# Altium PCB PCB1.PcbDoc (part 1 of 2)
Units mil, origin at the board's own origin, x right, y up, seen from the top; angles counter-clockwise.
Board outline 3939 x 2371 mil, 2 copper layers (Top Layer, Bottom Layer); 133 components, 78 nets, 464 pads, 62 vias.
Unrouted connection lines stored in the file: 3.
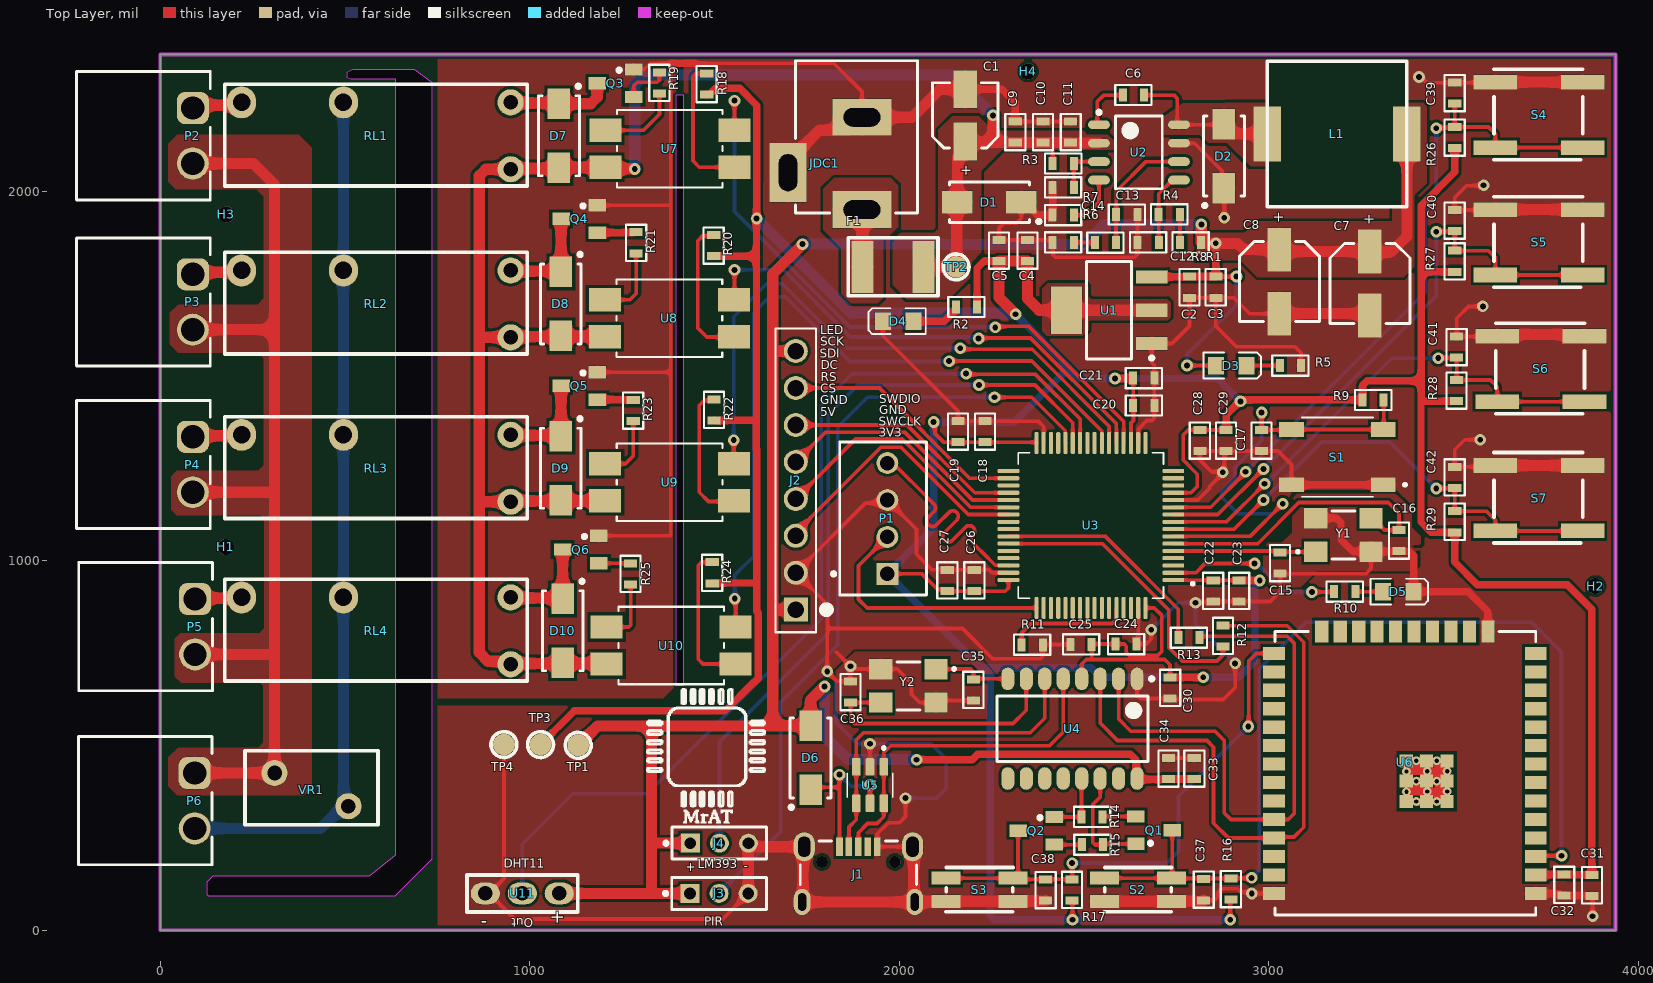
[diagram p0: Top Layer view]
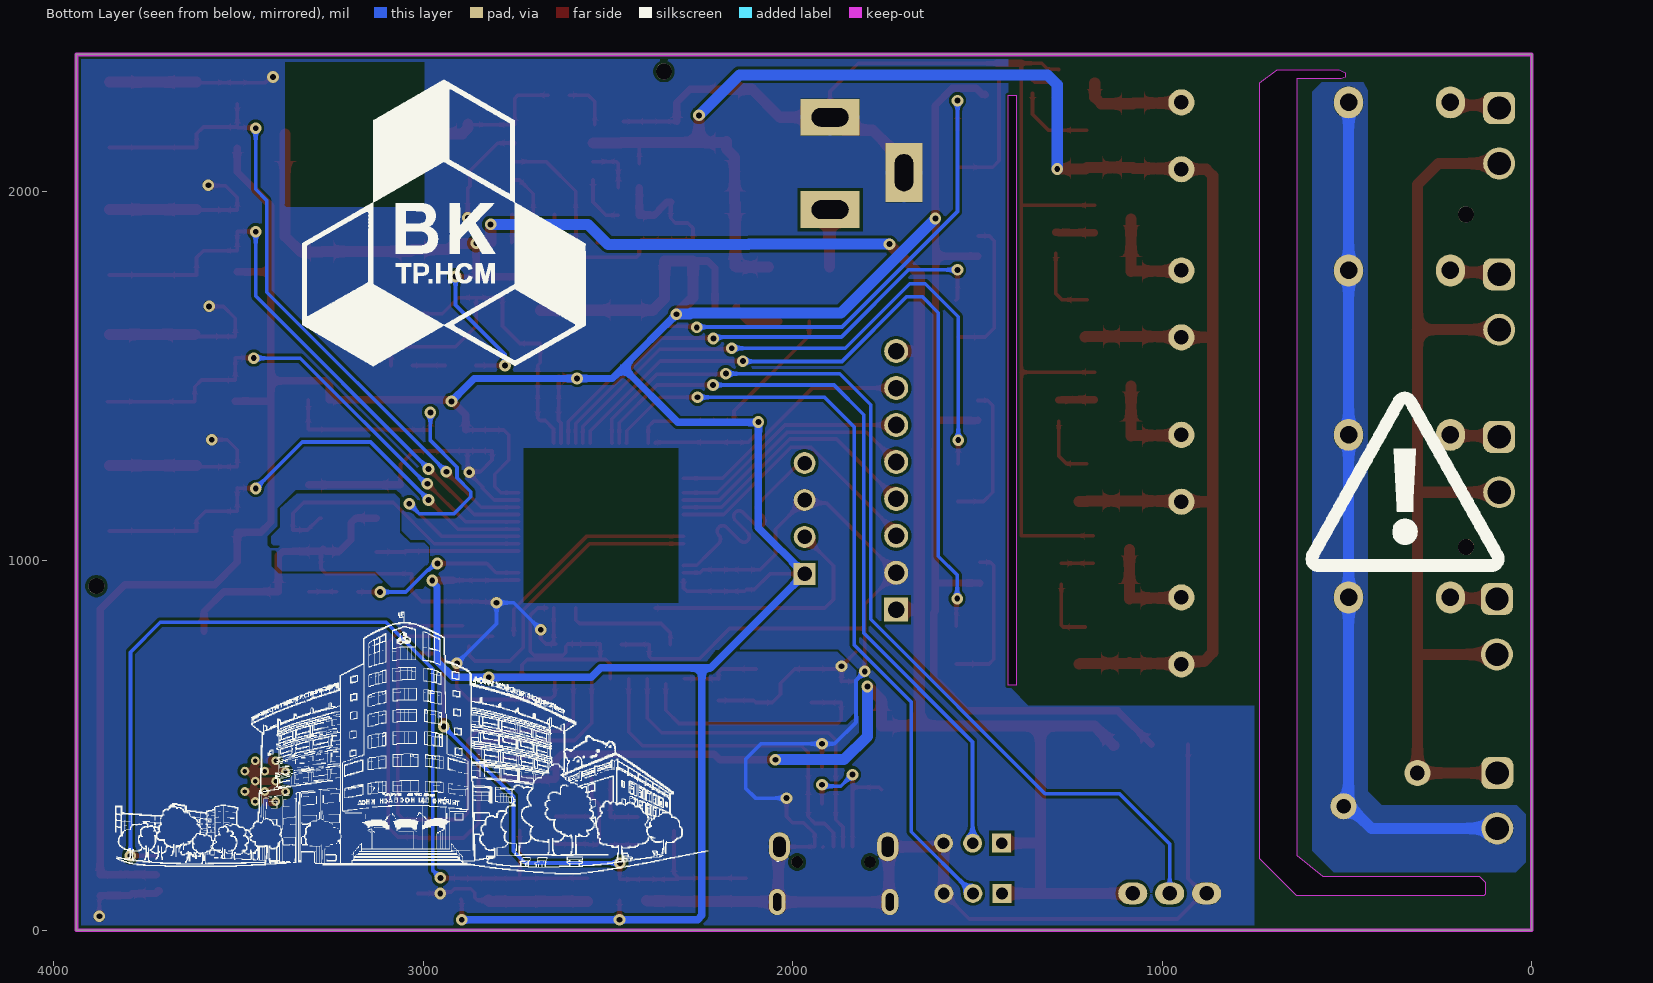
[diagram p1: Bottom Layer view, seen from below]

## Layer stack, top to bottom
Top Solder: solder mask 0.4, Solder Resist, Dk 3.5
Top Layer: signal copper 1.4
Dielectric 1: dielectric 12.6, FR-4, Dk 4.8
Bottom Layer: signal copper 1.4
Bottom Solder: solder mask 0.4, Solder Resist, Dk 3.5

## Board outline
0,0 0,2371 3939,2371 3939,0
cut-out: 636,2305 636,203.03 565,147 142,147 125,130 125,98 129,94 636,94 736,194 736,2295 689,2330 521,2330 504,2322 504,2309 516,2305
cut-out: 1395.41,2125.49 1395.41,663 1417,663 1417,744.99 1417,930.99 1417,1017.99 1417,1247.99 1417,1442 1417,2090 1417,2260 1395.41,2260

## Design rules (kind name [scope] priority, off if disabled: settings)
Clearance [All] p1: gap=8 ignorepadtopadclearanceinfootprint=FALSE
PolygonConnect [InNet('GND') vs InNet('+12V')] p1: connectstyle=Direct reliefconductorwidth=10 reliefentries=4 polygonreliefangle="90 Angle" airgapwidth=10
RoutingVias [All] p1: holewidth=15.75 width=31.5 viastyle="Through Hole" minholewidth=15.75 minwidth=31.5 maxholewidth=15.75 maxwidth=31.5
SolderMaskExpansion [All] p1: expansion=4 istentingtop=FALSE
Width [All] p1: maxlimit=30 minlimit=10 preferedwidth=20
30 further rules are at their usual default settings.

## Classes and differential pairs
component class STM: C15 C16 C17 C18 C19 C20 C21 C22 C23 C24 C25 C26 C27 C28 C29 D5 P1 R9 R10 R11 S1 U3 Y1
component class Sheet1: C39 C40 C41 C42 J3 J4 R26 R27 R28 R29 S4 S5 S6 S7 U11
component class Power_Circuit: C1 C2 C3 C4 C5 C6 C7 C8 C9 C10 C11 C12 C13 C14 D1 D2 D3 D4 F1 H1 H2 H3 H4 JDC1 L1 R1 R2 R3 R4 R5 R6 R7 R8 TP1 TP2 TP3 TP4 U1 U2
component class Output: D7 D8 D9 D10 J2 P2 P3 P4 P5 P6 Q3 Q4 Q5 Q6 R18 R19 R20 R21 R22 R23 R24 R25 RL1 RL2 RL3 RL4 U7 U8 U9 U10 VR1
component class ESP: C30 C31 C32 C33 C34 C35 C36 C37 C38 D6 J1 Q1 Q2 R12 R13 R14 R15 R16 R17 S2 S3 U4 U5 U6 Y2

## Components (designator, comment, footprint, x,y, rotation, side; value= is the part's Value field where it differs from the comment)
C1 "47uF" WCAP-ASLI_D4H5.5 2179,2206 r270 top
C2 "1uF" CAP_0603 2786,1741 r90 top
C3 "100nF" CAP_0603 2857,1741 r90 top
C4 "1uF" CAP_0603 2347,1840 r270 top
C5 "100nF" CAP_0603 2270,1840 r270 top
C6 "100nF" CAP_0603 2634,2261 r0 top
C7 "47uF" WCAP-ASLI_D5H5.5 3274,1751 r90 top
C8 "47uF" WCAP-ASLI_D5H5.5 3029,1756 r90 top
C9 "10uF" CAP_0603 2314,2161 r270 top
C10 "10uF" CAP_0603 2389,2161 r270 top
C11 "10nF" CAP_0603 2464,2161 r270 top
C12 "1uF" CAP_0603 2558,1862 r180 top
C13 "47n" CAP_0603 2616,1938 r180 top
C14 "10nF" CAP_0603 2444,1936 r0 top
C15 "22pF" CAP_0603 3031.02,994 r90 top
C16 "22pF" CAP_0603 3353,1055 r90 top
C17 "100nF" CAP_0603 2981,1326 r90 top
C18 "100nF" CAP_0603 2232,1350 r270 top
C19 "100nF" CAP_0603 2159,1350 r270 top
C20 "100nF" CAP_0603 2662,1421 r180 top
C21 "100nF" CAP_0603 2662,1495 r180 top
C22 "100nF" CAP_0603 2850,919 r90 top
C23 "100nF" CAP_0603 2920,919 r270 top
C24 "100nF" CAP_0603 2614,775 r180 top
C25 "100nF" CAP_0603 2492.54,774 r0 top
C26 "100nF" CAP_0603 2203,947.46 r270 top
C27 "100nF" CAP_0603 2130,947.46 r270 top
C28 "100nF" CAP_0603 2814,1326 r90 top
C29 "4.7uF" CAP_0603 2885,1326 r90 top
C30 "10nF" CAP_0603 2733.22,656 r270 top
C31 "10uF" CAP_0603 3875,122 r270 top
C32 "100nF" CAP_0603 3800,123 r270 top
C33 "10uF" CAP_0603 2798.61,438 r270 top
C34 "100nF" CAP_0603 2728.61,438 r270 top
C35 "22pF" CAP_0603 2201,651 r90 top
C36 "22pF" CAP_0603 1868,645 r270 top
C37 "100nF" CAP_0603 2824,110 r270 top
C38 "100nF" CAP_0603 2396.13,109 r270 top
C39 "100nF" CAP_0603 3503.88,2266.24 r90 top
C40 "100nF" CAP_0603 3503.88,1921.24 r90 top
C41 "100nF" CAP_0603 3509,1579 r90 top
C42 "100nF" CAP_0603 3503.88,1226.24 r90 top
D1 "D Schottky" SS34 2244,1971 r180 top
D2 "D Schottky" SS34 2879,2096 r90 top
D3 "LED SMD" LED_0805_Blue 2899,1529 r0 top
D4 "LED SMD" LED_0805_Blue 1997,1649 r180 top
D5 "LED SMD" LED_0805_Blue 3351,917 r0 top
D6 "D Schottky" SS34 1760,467 r90 top
D7 "SS210" SS34 1079,2151 r270 top
D8 "SS210" SS34 1084,1696 r270 top
D9 "SS210" SS34 1084,1251 r270 top
D10 "SS210" SS34 1089,811 r270 top
F1 "8V, 2A" Fuse_SMD_1812 1984,1796 r0 top
H1 "Tooling Hole 1mm" 2mm 177,1038 r0 top
H2 "Tooling Hole 1mm" 2mm 3885,932 r0 top
H3 "Tooling Hole 1mm" 2mm 178,1938 r0 top
H4 "Tooling Hole 1mm" 2mm 2349,2325 r0 top
J1 "629105150521" 629105150521 1889.57,112.17 r0 top
J2 "61300811121" CONN8_61300811121_WRE 1720,868 r90 top
J3 "NRPN031PAEN-RC" FP-NRPN031PAEN-RC-MFG 1512.26,100 r0 top
J4 "NRPN031PAEN-RC" FP-NRPN031PAEN-RC-MFG 1513.26,236 r0 top
JDC1 "Jack DC" DC-IN 1799,2076 r270 top value="Jac DC"
L1 "10uH, 5.6A" WE-PD2A_5848 2996.05,2156 r0 top
P1 "61900411121" 61900411121 1956.19,1115 r270 top
P2 "691322310002" 691322310002 -46,2151 r270 top
P3 "691322310002" 691322310002 -46,1701 r270 top
P4 "691322310002" 691322310002 -46,1261 r270 top
P5 "691322310002" 691322310002 -39.86,822 r270 top
P6 "691322310002" 691322310002 -41,351 r270 top
Q1 "BC817" SOT23B 2690,271 r270 top
Q2 "BC817" SOT23B 2371,270 r90 top
Q3 "MMBTA42" SOT23B 1231.79,2293.4 r90 top
Q4 "MMBTA42" SOT23B 1134,1926 r90 top
Q5 "MMBTA42" SOT23B 1134,1474 r90 top
Q6 "MMBTA42" SOT23B 1138,1031 r90 top
R1 "0" resistor_0603 2789,1862 r0 top
R2 "2.5k" resistor_0603 2182,1687 r0 top
R3 "100k" resistor_0603 2444,2076 r180 top
R4 "8.2k" resistor_0603 2731,1938 r0 top
R5 "5.6k" resistor_0603 3059,1529 r180 top
R6 "30k" resistor_0603 2444,1862 r0 top
R7 "20k" resistor_0603 2444,2011 r0 top
R8 "1.6k" resistor_0603 2674,1862 r0 top
R9 "10k" resistor_0603 3283,1436 r180 top
R10 "1.5k" resistor_0603 3206,917 r180 top
R11 "1k" resistor_0603 2360,773 r0 top
R12 "0" resistor_0603 2876.22,797 r270 top
R13 "0" resistor_0603 2784,792.41 r180 top
R14 "10k" resistor_0603 2522,307 r0 top
R15 "10k" resistor_0603 2523,232 r180 top
R16 "10k" resistor_0603 2898,112 r90 top
R17 "10k" resistor_0603 2468.13,109.46 r90 top
R18 "220" resistor_0603 1479,2291 r90 top
R19 "2.2k" resistor_0603 1351,2294 r90 top
R20 "220" resistor_0603 1498,1854 r90 top
R21 "2.2k" resistor_0603 1288,1861.27 r90 top
R22 "220" resistor_0603 1499,1409 r90 top
R23 "2.2k" resistor_0603 1280,1407 r90 top
R24 "220" resistor_0603 1494,968 r90 top
R25 "2.2k" resistor_0603 1273,965 r90 top
R26 "10k" resistor_0603 3503.88,2146.24 r90 top
R27 "10k" resistor_0603 3503.88,1811.24 r90 top
R28 "10k" resistor_0603 3508.88,1461.24 r90 top
R29 "10k" resistor_0603 3503.88,1106.24 r90 top
RL1 "HF46F" HF46F 584,2141 r180 top
RL2 "HF46F" HF46F 584,1686 r180 top
RL3 "HF46F" HF46F 584,1241 r180 top
RL4 "HF46F" HF46F 584,801 r180 top
S1 "" SW_8-1437565-1 3186,1281 r180 top
S2 "Tactile_Switch" Tactile_Button_3x4x2.5 2646,110 r0 top
S3 "Tactile_Switch" Tactile_Button_3x4x2.5 2217.13,110 r0 top
S4 "Tactile_Switch_6x6" Tactile_Switch_6x6 3850.1,2296.24 r180 top
S5 "Tactile_Switch_6x6" Tactile_Switch_6x6 3850.1,1951.24 r180 top
S6 "Tactile_Switch_6x6" Tactile_Switch_6x6 3855.1,1608.4 r180 top
S7 "Tactile_Switch_6x6" Tactile_Switch_6x6 3850.1,1258.4 r180 top
TP1 "Test_Point" TP_2MM 1131,501 r0 top
TP2 "Test_Point" TP_2MM 2154,1796 r0 top
TP3 "Test_Point" TP_2MM 1029,503 r0 top
TP4 "Test_Point" TP_2MM 930,503 r0 top
U1 "AMS1117-3.3V" "AMS1117-3.3V SOT223" 2568,1678.71 r180 top
U2 "TPS54231D" SOIC8 2649,2106 r0 top
U3 "STM32F103RCT6" QFP50P1200X1200X160-64N 2519,1096 r180 top
U4 "CH340G" DSIP-16 2469,546 r270 top
U5 "USBLC6-2SC6" SOT95P280X145-6N 1921,393 r270 top
U6 "ESP32-WROOM-32E" ESP32-WROOM 3723,809 r180 top
U7 "PC817X2NIPW" PC817XI_SHP 1379,2116 r180 top
U8 "PC817X2NIPW" PC817XI_SHP 1377.76,1657 r180 top
U9 "PC817X2NIPW" PC817XI_SHP 1378.5,1213 r180 top
U10 "PC817X2NIPW" PC817XI_SHP 1382.76,771 r180 top
U11 "DHT11_Module" DHT11_Module 1079.84,100 r90 top
VR1 "Varistor" 07D471K 289,366 r0 top
Y1 "8MHz" WE-XTAL_CFPX-104 3202.53,1070.63 r0 top
Y2 "12MHz" WE-XTAL_CFPX-104 2025,662 r180 top

## Footprints (in the part's own frame and the unit in brackets; to place one, negate y for a bottom-side part, rotate by r counter-clockwise, add the part's x,y. Pads: shape width x height; smd on the part's side, far side on the other; paste and mask are expansions set on the pad)
2mm [mm]
  round 1.1 hole 1.1 unplated mask+0: 0(0,0)
07D471K [mm] "Varistor 07D471K 470V"
  round 1.8 hole 1: 1(0.508,1.524) 2(5.588,-0.762)
  silkscreen extent -1.52,-2.03 7.62,3.05, body extent -1.45,-1.99 7.55,3.01, height 12.5
61900411121 [mm]
  rect 1.5x1.5 hole 1: 1(3.81,0.3)
  round 1.5 hole 1: 2(1.27,0.3) 3(-1.27,0.3) 4(-3.81,0.3)
  silkscreen extent -5.25,-3.52 5.25,2.98, body extent -5.08,-2.9 5.08,2.9, height 11.53
629105150521 [mm]
  rect 0.45x1.3 smd: 1(-1.3,2.9) 2(-0.65,2.9) 3(0,2.9) 4(0.65,2.9) 5(1.3,2.9)
  round 0.8 hole 0.8 unplated: MH1(-2.5,1.85) MH2(2.5,1.85)
  oval 1.15x1.8 hole 0.55 slot 1.2 at 90 deg: Shell(-3.875,-0.9) Shell(3.875,-0.9)
  oval 1.45x2 hole 0.85 slot 1.4 at 90 deg: Shell(-3.725,2.9) Shell(3.725,2.9)
  silkscreen extent -4,0.3 4,3.3, body extent -4,-3.3 4,3.3, height 2.75
691322310002 [mm] "Horizontal PCB Header, pitch 3.81mm, 02p"
  rrect50% 2.2x2.2 hole 1.6: 1(-1.905,3.4)
  round 2.2 hole 1.6: 2(1.905,3.4)
  silkscreen extent -4.4,-4.6 4.41,4.6, body extent -4.4,-4.6 4.41,4.6, height 7.25
"AMS1117-3.3V SOT223" [mm] "SOT223, 4-Leads, Body 6.51x7.00mm, Pitch 2.29mm"
  rect 2.15x0.9 smd: 1(-2.93,2.29) 2(-2.93,0) 3(-2.93,-2.29)
  rect 2.15x3.25 smd: 4(2.93,0)
  silkscreen extent -3.06,-3.35 1.55,3.41, body extent -3.5,-3.35 3.5,3.35, height 1.8
CAP_0603 [mm]
  rect 0.55x0.9 smd: 1(-0.725,0) 2(0.725,0)
  silkscreen extent -1.25,-0.69 1.24,0.7, body extent -0.8,-0.45 0.8,0.45, height 0.5
CONN8_61300811121_WRE [mil]
  rect 65x65 / inner round 60 / far side rect 65x65 hole 45 paste-32.5 mask+0: 1(0,0)
  round 65 / inner round 60 / far side round 65 hole 45 paste-32.5 mask+0: 2(100,0) 3(200,0) 4(300,0) 5(400,0) 6(500,0) 7(600,0) 8(700,0)
  silkscreen extent -61,-93 761,55, body extent -50,-50 750,50, height 336
DC-IN [mil]
  rect 100x160 hole 50 slot 100 at 90 deg: 1(125,100) 2(-125,100)
  rect 160x100 hole 50 slot 100 at 0 deg: 3(25,-100)
  silkscreen extent -278,-80 134,250, body extent -410,-105 134,269, height 434
DHT11_Module [mm]
  oval 1.5x2 hole 1: 1(0,0) 2(0,2.54) 3(0,5.08)
  silkscreen extent -1.27,-1.27 1.27,6.35, body extent -0.99,-5.08 7.51,10.92, height 3.61
DSIP-16 [mm]
  oval 1.55x0.9 smd: 1(-3.425,4.445) 2(-3.425,3.175) 3(-3.425,1.905) 4(-3.425,0.635) 5(-3.425,-0.635) 6(-3.425,-1.905) 7(-3.425,-3.175) 8(-3.425,-4.445) 9(3.425,-4.445) 10(3.425,-3.175) 11(3.425,-1.905) 12(3.425,-0.635) 13(3.425,0.635) 14(3.425,1.905) 15(3.425,3.175) 16(3.425,4.445)
  silkscreen extent -3.55,-5.2 2.25,5.57, body extent -3.75,-5.2 3.75,5.2, height 2.25
ESP32-WROOM [mm]
  rect 1.5x0.9 smd mask+0.102: 1(0,18.01) 2(0,16.74) 3(0,15.47) 4(0,14.2) 5(0,12.93) 6(0,11.66) 7(0,10.39) 8(0,9.12) 9(0,7.85) 10(0,6.58) 11(0,5.31) 12(0,4.04) 13(0,2.77) 14(0,1.5) 25(18,1.5) 26(18,2.77) 27(18,4.04) 28(18,5.31) 29(18,6.58) 30(18,7.85) 31(18,9.12) 32(18,10.39) 33(18,11.66) 34(18,12.93) 35(18,14.2) 36(18,15.47) 37(18,16.74) 38(18,18.01)
  rect 0.9x1.5 smd mask+0.102: 15(3.28,0) 16(4.55,0) 17(5.82,0) 18(7.09,0) 19(8.36,0) 20(9.63,0) 21(10.9,0) 22(12.17,0) 23(13.44,0) 24(14.71,0)
  round 0.6 hole 0.3: 39(6.096,9.598) 39(6.096,10.998) 39(6.807,8.884) 39(6.807,10.284) 39(6.807,11.684) 39(7.468,9.598) 39(7.468,10.998) 39(8.204,8.884) 39(8.204,10.284) 39(8.204,11.684) 39(8.89,9.624) 39(8.89,11.024)
  rect 0.9x0.9 smd mask+0.102: 39(6.1,8.89) 39(6.1,10.29) 39(6.1,11.69) 39(7.5,8.89) 39(7.5,10.29) 39(7.5,11.69) 39(8.9,8.89) 39(8.9,10.29) 39(8.9,11.69)
  silkscreen extent 0,0 17.94,19.5, body extent -0.03,-0.03 18.04,25.51, height 3.04
FP-NRPN031PAEN-RC-MFG [mm]
  rect 1.3x1.3 hole 0.8 paste-2539.97 mask+0: 1(-2,0)
  round 1.3 hole 0.8 paste-2539.97 mask+0: 2(0,0) 3(2,0)
  silkscreen extent -3.8,-1.1 3.25,1.1, body extent -3.35,-1.2 3.35,1.2, height 0.25
Fuse_SMD_1812 [mil] "Fuse SMD, size 1812"
  rect 60x140 smd: 0(-83.41,0) 1(82,0)
  silkscreen extent -122,-78 121,79, body extent -93,-67 93,67, height 18
HF46F [mm]
  round 1.8 hole 1: 1(-9.25,2.05) 2(-9.25,-2.55)
  oval 2x2.2 hole 1.2: 3(2.25,-2.55) 4(9.25,-2.55)
  silkscreen extent -10.4,-3.8 10.4,3.2, body extent -9.82,-3.94 10.58,3.06, height 14.79
LED_0805_Blue [mm]
  rect 1.1x1.2 smd: 1(-1.05,0) 2(1.05,0)
  silkscreen extent -1.91,-0.89 2.03,0.89, body extent -1,-0.63 1,0.62, height 0.68
PC817XI_SHP [mm]
  rect 2.2x1.6 smd paste+0 mask+0: 1(-4.432,1.27) 2(-4.432,-1.27) 3(4.432,-1.27) 4(4.432,1.27)
  silkscreen extent -3.63,-2.67 3.63,2.67, body extent -5,-2.54 5,2.54, height 4.6
QFP50P1200X1200X160-64N [mm]
  rrect50% 1.49x0.28 smd: 1(-5.67,3.75) 2(-5.67,3.25) 3(-5.67,2.75) 4(-5.67,2.25) 5(-5.67,1.75) 6(-5.67,1.25) 7(-5.67,0.75) 8(-5.67,0.25) 9(-5.67,-0.25) 10(-5.67,-0.75) 11(-5.67,-1.25) 12(-5.67,-1.75) 13(-5.67,-2.25) 14(-5.67,-2.75) 15(-5.67,-3.25) 16(-5.67,-3.75) 33(5.67,-3.75) 34(5.67,-3.25) 35(5.67,-2.75) 36(5.67,-2.25) 37(5.67,-1.75) 38(5.67,-1.25) 39(5.67,-0.75) 40(5.67,-0.25) 41(5.67,0.25) 42(5.67,0.75) 43(5.67,1.25) 44(5.67,1.75) 45(5.67,2.25) 46(5.67,2.75) 47(5.67,3.25) 48(5.67,3.75)
  rrect50% 0.28x1.49 smd: 17(-3.75,-5.67) 18(-3.25,-5.67) 19(-2.75,-5.67) 20(-2.25,-5.67) 21(-1.75,-5.67) 22(-1.25,-5.67) 23(-0.75,-5.67) 24(-0.25,-5.67) 25(0.25,-5.67) 26(0.75,-5.67) 27(1.25,-5.67) 28(1.75,-5.67) 29(2.25,-5.67) 30(2.75,-5.67) 31(3.25,-5.67) 32(3.75,-5.67) 49(3.75,5.67) 50(3.25,5.67) 51(2.75,5.67) 52(2.25,5.67) 53(1.75,5.67) 54(1.25,5.67) 55(0.75,5.67) 56(0.25,5.67) 57(-0.25,5.67) 58(-0.75,5.67) 59(-1.25,5.67) 60(-1.75,5.67) 61(-2.25,5.67) 62(-2.75,5.67) 63(-3.25,5.67) 64(-3.75,5.67)
  silkscreen extent -7.1,-5 5,5, body extent -6,-6 6,6, height 0.72
resistor_0603 [mm]
  rect 0.55x0.9 smd: 1(-0.725,0) 2(0.725,0)
  silkscreen extent -1.25,-0.69 1.24,0.7, body extent -0.8,-0.45 0.8,0.45, height 0.5
SOIC8 [mm]
  oval 1.5x0.6 smd: 1(-2.75,1.905) 2(-2.75,0.635) 3(-2.75,-0.635) 4(-2.75,-1.905) 5(2.75,-1.905) 6(2.75,-0.635) 7(2.75,0.635) 8(2.75,1.905)
  silkscreen extent -2.87,-2.5 1.6,2.88, body extent -3.01,-2.5 3.01,2.5, height 1.75
SOT23B [mm]
  rect 0.85x1.2 smd: 1(0.94,-1.245) 2(0,1.25) 3(-0.95,-1.25)
  silkscreen extent 0.77,-0.38 1.02,-0.13, body extent -1.5,-1.3 1.5,1.2, height 1.06
SOT95P280X145-6N [mm]
  rrect25% 1.21x0.59 smd: 1(-1.255,0.95) 2(-1.255,0) 3(-1.255,-0.95) 4(1.255,-0.95) 5(1.255,0) 6(1.255,0.95)
  silkscreen extent -2.65,-1.57 0.81,1.57, body extent -1.4,-1.46 1.4,1.46, height 0.4
SS34 [mm]
  rect 2.1x1.55 smd: 1(-2.2,0) 2(2.2,0)
  silkscreen extent -3.53,-1.4 2.75,1.45, body extent -2.75,-1.42 2.75,1.38, height 2.3
SW_8-1437565-1 [mm]
  rect 1.7x1 smd: 1(-3.15,1.9) 2(3.15,1.9) 3(-3.15,-1.9) 4(3.15,-1.9)
  silkscreen extent -4.75,-2.72 2.45,2.72
Tactile_Button_3x4x2.5 [mm] "Tactile button, 4 Pin, SMD"
  rect 2x0.9 smd: 1(-2.3,0.8) 2(2.3,0.8) 3(2.3,-0.8) 4(-2.3,-0.8)
  silkscreen extent -2.3,-1.5 2.31,1.52
Tactile_Switch_6x6 [mm]
  rect 3x1 smd: 1(0,4.5) 2(6,4.5) 3(6,0) 4(0,0)
  silkscreen extent 0,-0.89 6.1,5.33, body extent -1.5,-0.79 7.5,5.21, height 13
TP_2MM [mm] "Test point, 2mm."
  round 1.5 smd: 1(0,0)
  silkscreen extent -0.89,-0.89 0.89,0.89
WCAP-ASLI_D4H5.5 [mm] "Aluminium Electrolytic V-Chip SMT Capacitors, 4x5.5mm"
  rect 2.6x1.6 smd: 1(1.8,0) 2(-1.8,0)
  silkscreen extent -2.25,-2.25 2.25,2.25, body extent -2.5,-2.15 2.5,2.15, height 5.5
WCAP-ASLI_D5H5.5 [mm] "Aluminium Electrolytic V-Chip SMT Capacitors, 5x5.5mm"
  rect 3x1.6 smd: 1(2.2,0) 2(-2.2,0)
  silkscreen extent -2.75,-2.75 2.75,2.75, body extent -3,-2.65 3,2.65, height 5.5
WE-PD2A_5848 [mm] "SMD Power Inductor, body 5.8x5.2mm"
  rect 1.9x3.8 smd: 1(0,0) 2(9.6,0)
  silkscreen extent 0,-5 9.6,5, body extent 0.45,-2.6 6.24,2.6, height 4.5
WE-XTAL_CFPX-104 [mm]
  rect 1.6x1.4 smd: 1(-1.9,-1.15) 2(1.9,-1.15) 3(1.9,1.15) 4(-1.9,1.15)
  silkscreen extent -3.24,-1.65 0.8,1.65, body extent -2.5,-1.6 2.5,1.6, height 0.95

## Part data
C1: library part 865080340003, "V-Chip, D4 x H5.5mm, 22uF, 16V", Capacitance=22uF, Capacitance Tolerance=+/-20%, Leakage Current=3.52uA, Operating Temperature Max=105°C, Operating Temperature Min=-55°C, Rated Voltage (DC)=16V, Ripple Current=90mA, Category="Aluminum Electrolytic Capacitors", ComponentLink2Description="Datasheet Link", ComponentLink2URL=https://www.we-online.com/redexpert/spec/865080340003?ad, Diameter=4mm, Dissipation Factor=16%, Endurance=2000h, Height=5.5mm, Mount="Surface Mount", Packaging="Tape and Reel", Supply 1 Name=Mouser, Supply 1 SN=710-865080340003, Supply 1 URL=https://www.mouser.com/ProductDetail/Wurth-Elektronik/865080340003?qs=0KOYDY2FL2%252BowmC4S50IuQ%3D%3D, Supply 2 Name=thegioiic, Supply 2 URL=https://www.thegioiic.com/tu-nhom-smd-22uf-16v-4x5-4mm
C2 C4 C12: library part 01060310510, "CAP, size 0603, 1uF", Capacitance Tolerance=+/-10%, Operating Temperature="-55 to +125degC", Capacitance=1uF, ComponentLink1Description=Manufacturer, ComponentLink1URL=http://www.we-online.de, ComponentLink2Description=Datasheet, ComponentLink2URL=https://www.we-online.com/components/products/datasheet/885012206126.pdf, Mounting Technology=SMT, Packaging="Tape and Reel", Size=0603, Supply 1 Name="Wurth Elektronik", Supply 1 SN=885012206126, Supply 1 URL=https://www.we-online.com/en/components/products/WCAP-CSGP-50VDC?sq=885012206126#885012206126, Supply 2 Name=Thegioiic, Supply 2 URL=https://www.thegioiic.com/tu-gom-0603-1uf-50v
C3 C5 C6 C17 C18 C19 C20 C21 C22 C23 C24 C25 C26 C27 C28 C32 C34 C37 C38 C39 C40 C41 C42: library part 01060310410, "CAP, size 0603, 100nF", Capacitance Tolerance=+/-10%, Operating Temperature="-55 to +125degC", Capacitance=100nF, ComponentLink1Description=Manufacturer, ComponentLink1URL=http://www.we-online.de, ComponentLink2Description=Datasheet, ComponentLink2URL=https://www.we-online.com/catalog/datasheet/885012206095.pdf, Mounting Technology=SMT, Packaging="Tape and Reel", Size=0603, Supply 1 Name="Wurth Elektronik", Supply 1 SN=885012206095, Supply 1 URL=https://www.we-online.com/en/components/products/WCAP-CSGP-50VDC?sq=885012206095R#885012206095R, Supply 2 Name=Thegioiic, Supply 2 URL=https://www.thegioiic.com/tu-gom-0603-100nf-0-1uf-50v
C7 C8: library part 865080342006, "V-Chip, D5 x H5.5mm, 47uF, 16V", Capacitance Tolerance=+/-20%, Leakage Current=7.52uA, Operating Temperature Max=105°C, Operating Temperature Min=-55°C, Rated Voltage (DC)=16V, Ripple Current=195mA, Capacitance=47uF, Category="Aluminum Electrolytic Capacitors", ComponentLink2Description="Datasheet Link", ComponentLink2URL=https://www.we-online.com/redexpert/spec/865080342006?ad, Diameter=5mm, Dissipation Factor=16%, Endurance=2000h, Height=5.5mm, Mount="Surface Mount", Packaging="Tape and Reel", Supply 1 Name=Mouser, Supply 1 SN=710-865080262015, Supply 1 URL=https://www.mouser.com/ProductDetail/Wurth-Elektronik/865080262015?qs=0KOYDY2FL2%2Ffe5w2MssUoQ%3D%3D, Supply 2 Name=thegioiic, Supply 2 URL=https://www.thegioiic.com/tu-nhom-smd-47uf-16v-5x5-4mm
C9 C10 C31 C33: library part 01060310010, "CAP, size 0603,10uF", Capacitance Tolerance=+/-10%, Operating Temperature="-55 to +125degC", Capacitance=10uF, ComponentLink1Description=Manufacturer, ComponentLink2Description=Datasheet, Mounting Technology=SMT, Packaging="Tape and Reel", Size=0603, Supply 2 Name=Thegioiic, Supply 2 URL=https://www.thegioiic.com/tu-gom-0603-10uf-16v